# Altium PCB PE300_Rev1_1.PcbDoc (part 1 of 2)
Units mil, origin at the board's own origin, x right, y up, seen from the top; angles counter-clockwise.
Board outline 6601 x 4376.82 mil, 4 copper layers (TOP, GND02, VCC03, BOTTOM), stack 28.8 mil thick; 243 components, 349 nets, 1419 pads, 935 vias.
Unrouted connection lines stored in the file: 927.
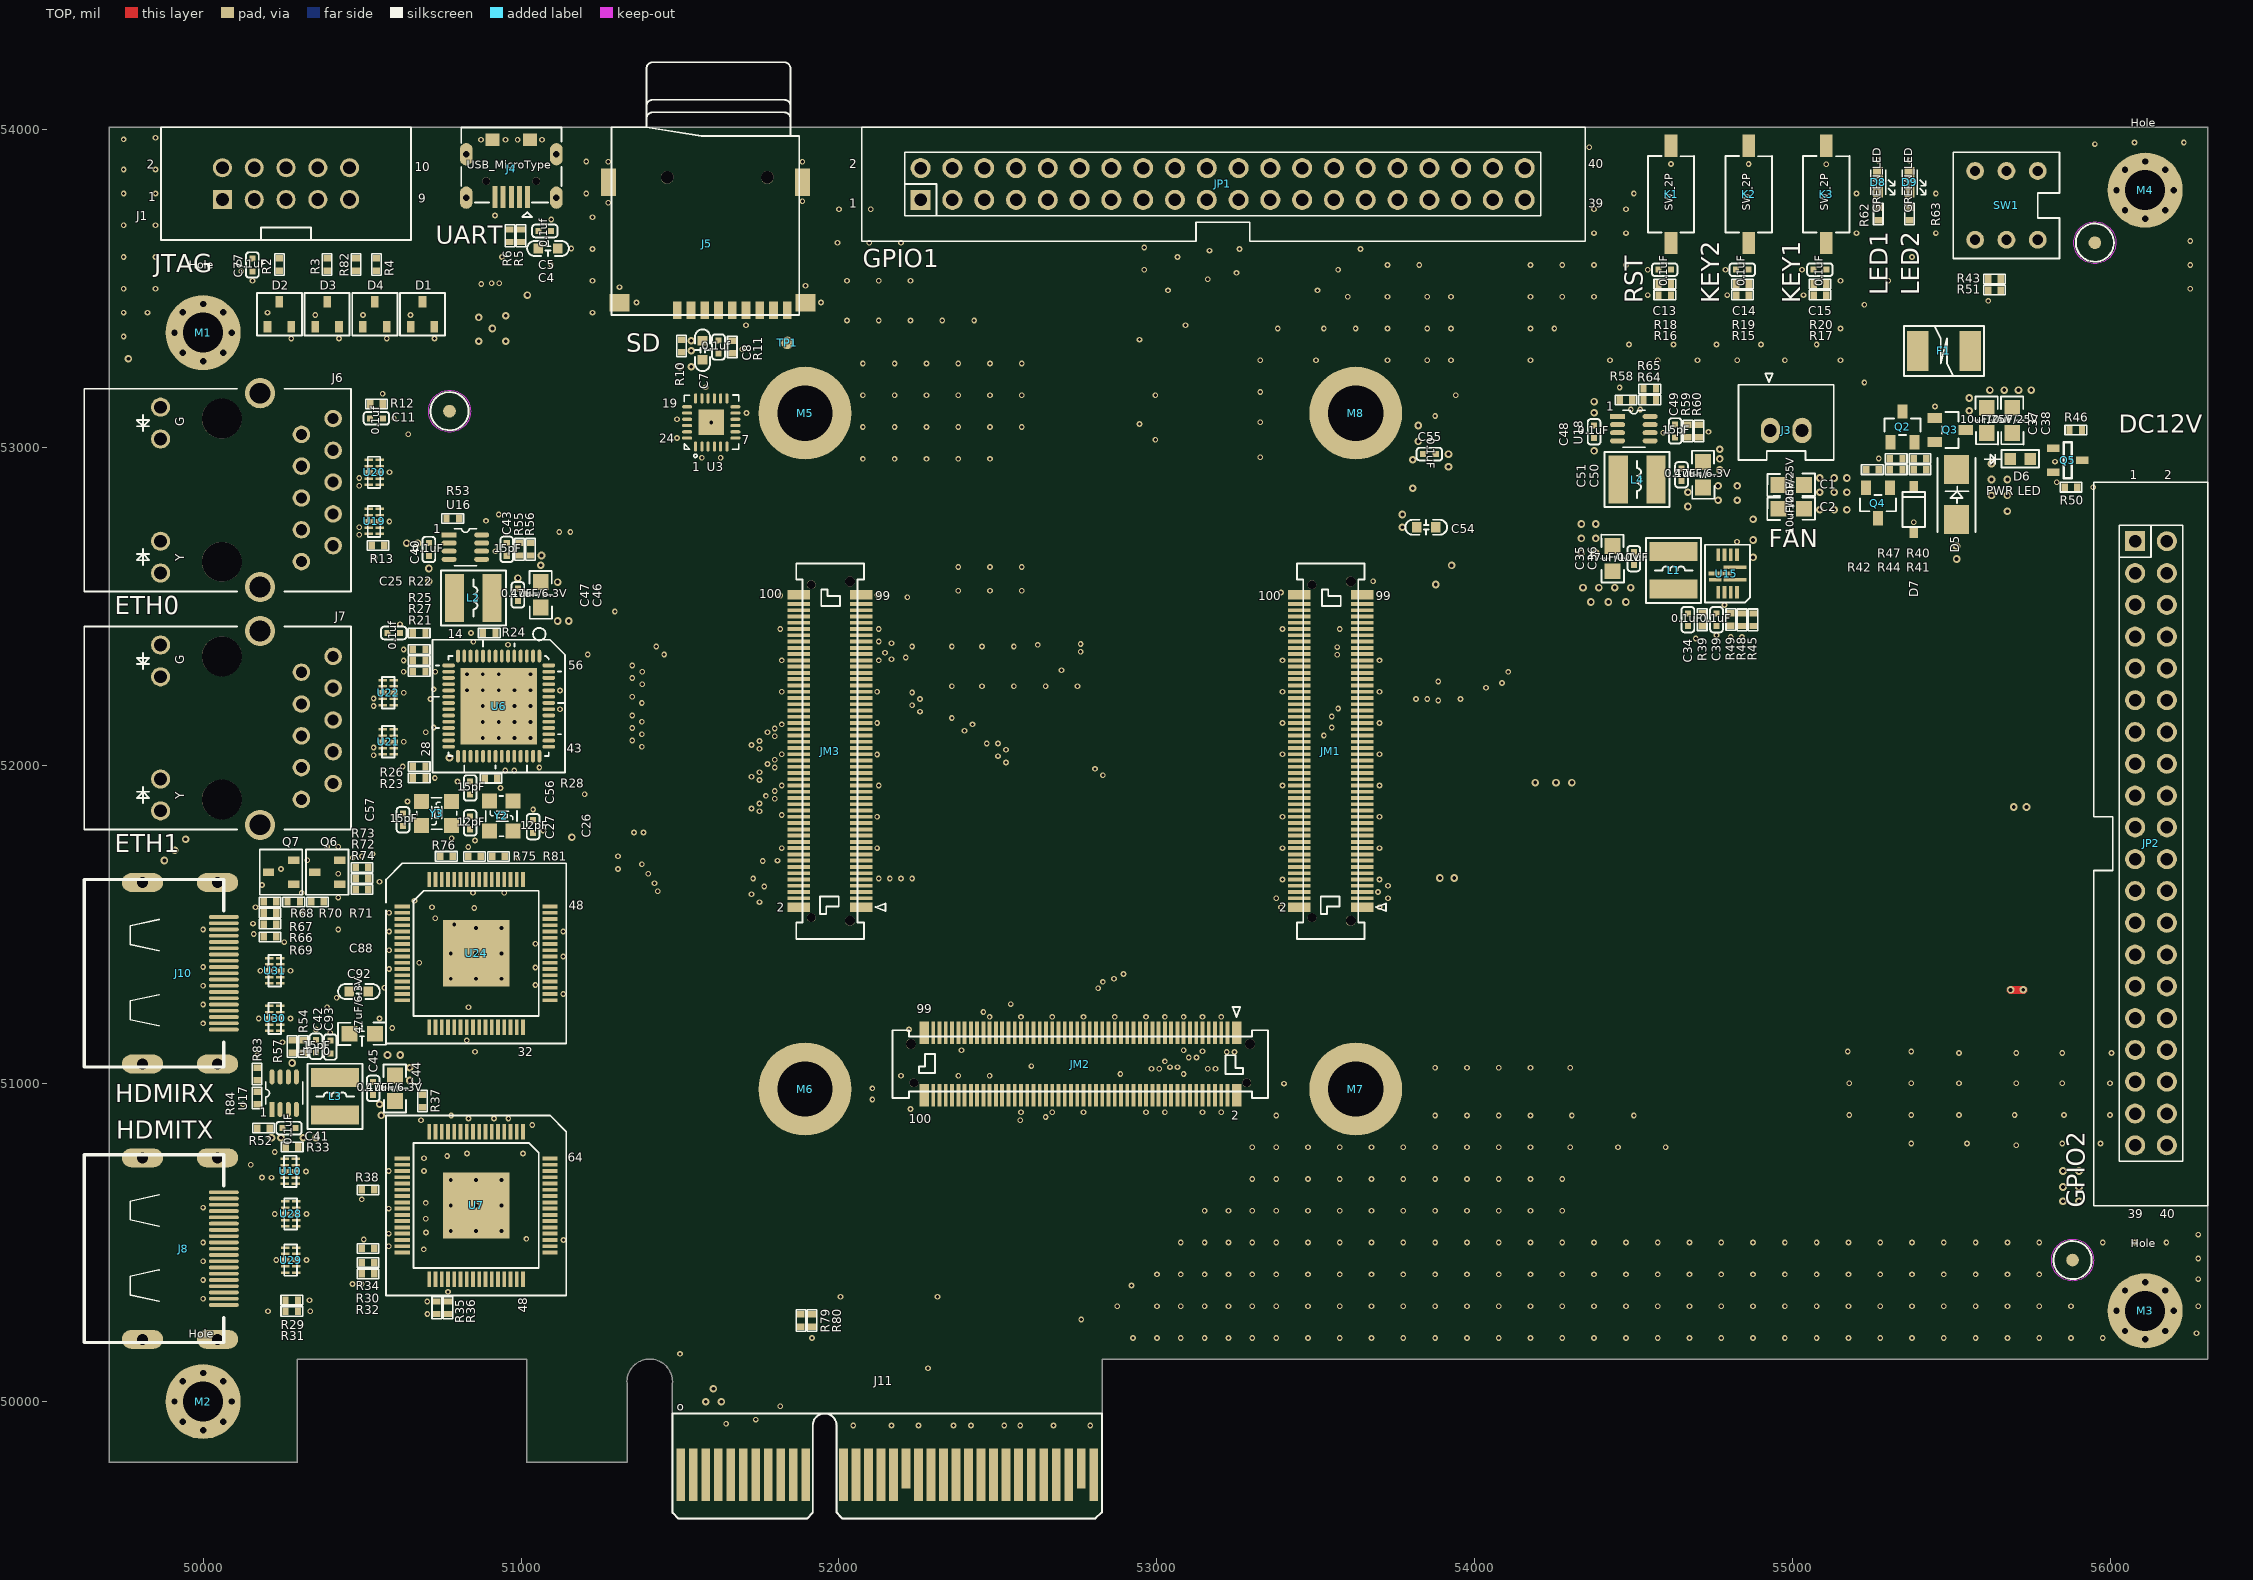
[diagram p0: TOP view]
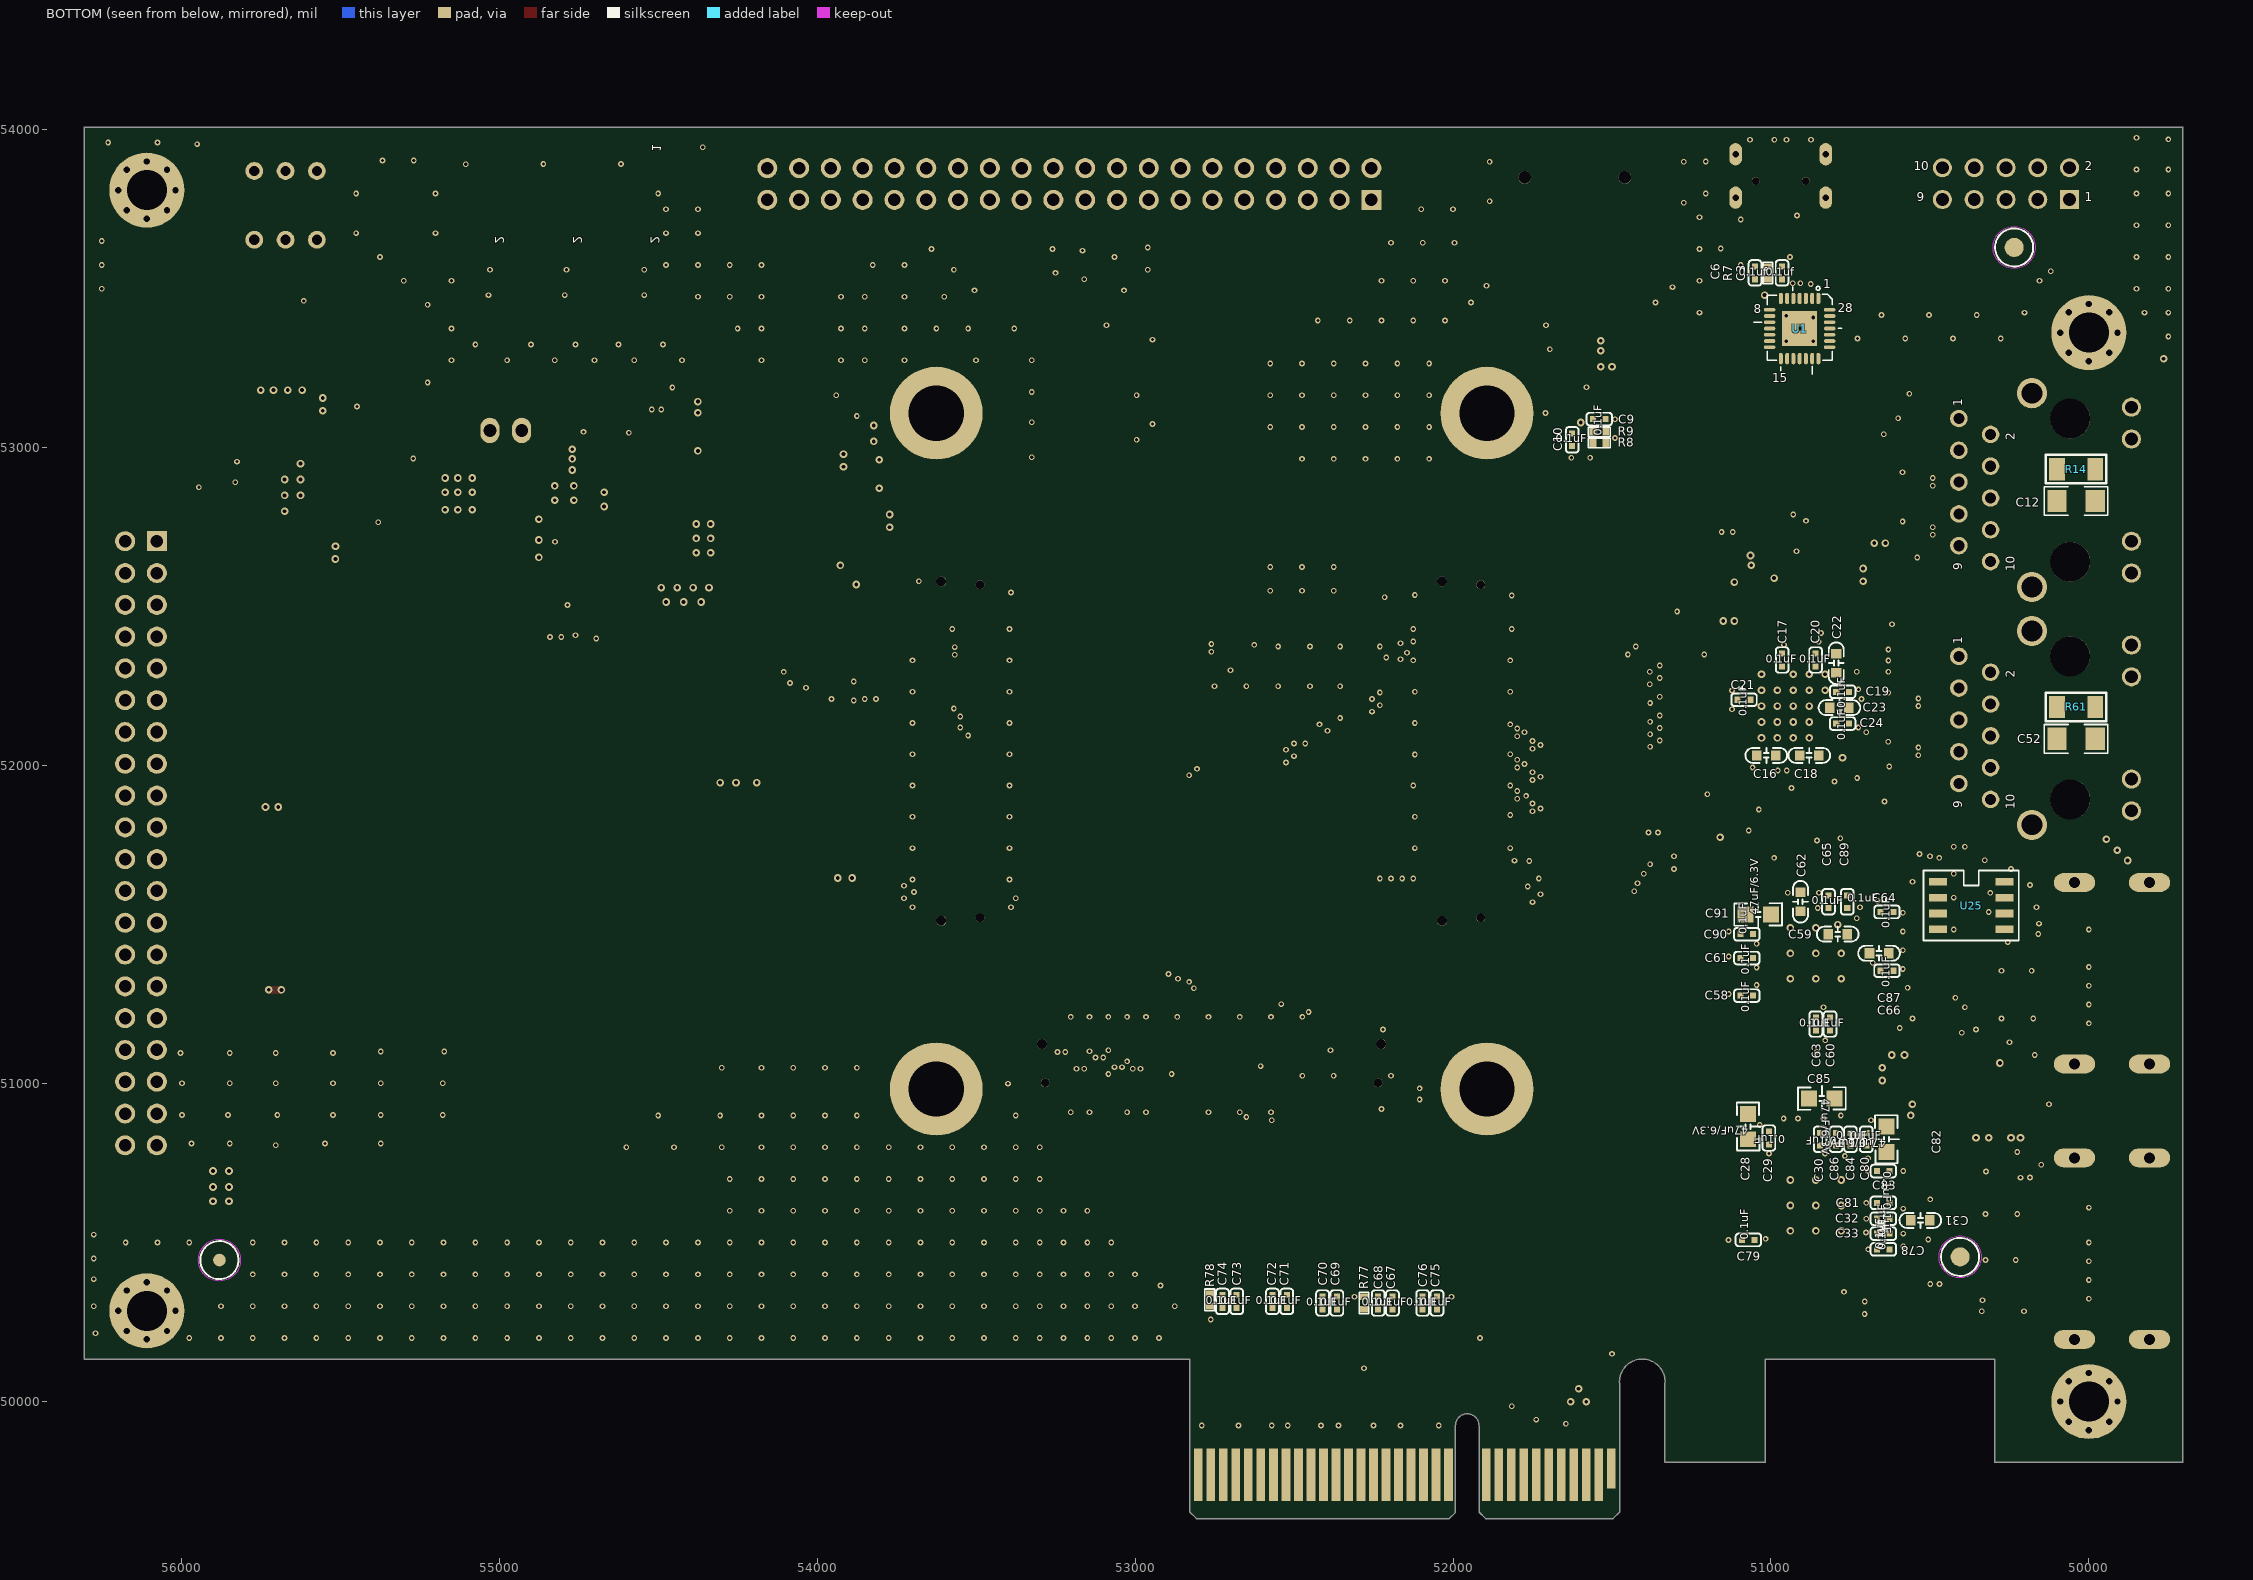
[diagram p1: BOTTOM view, seen from below]
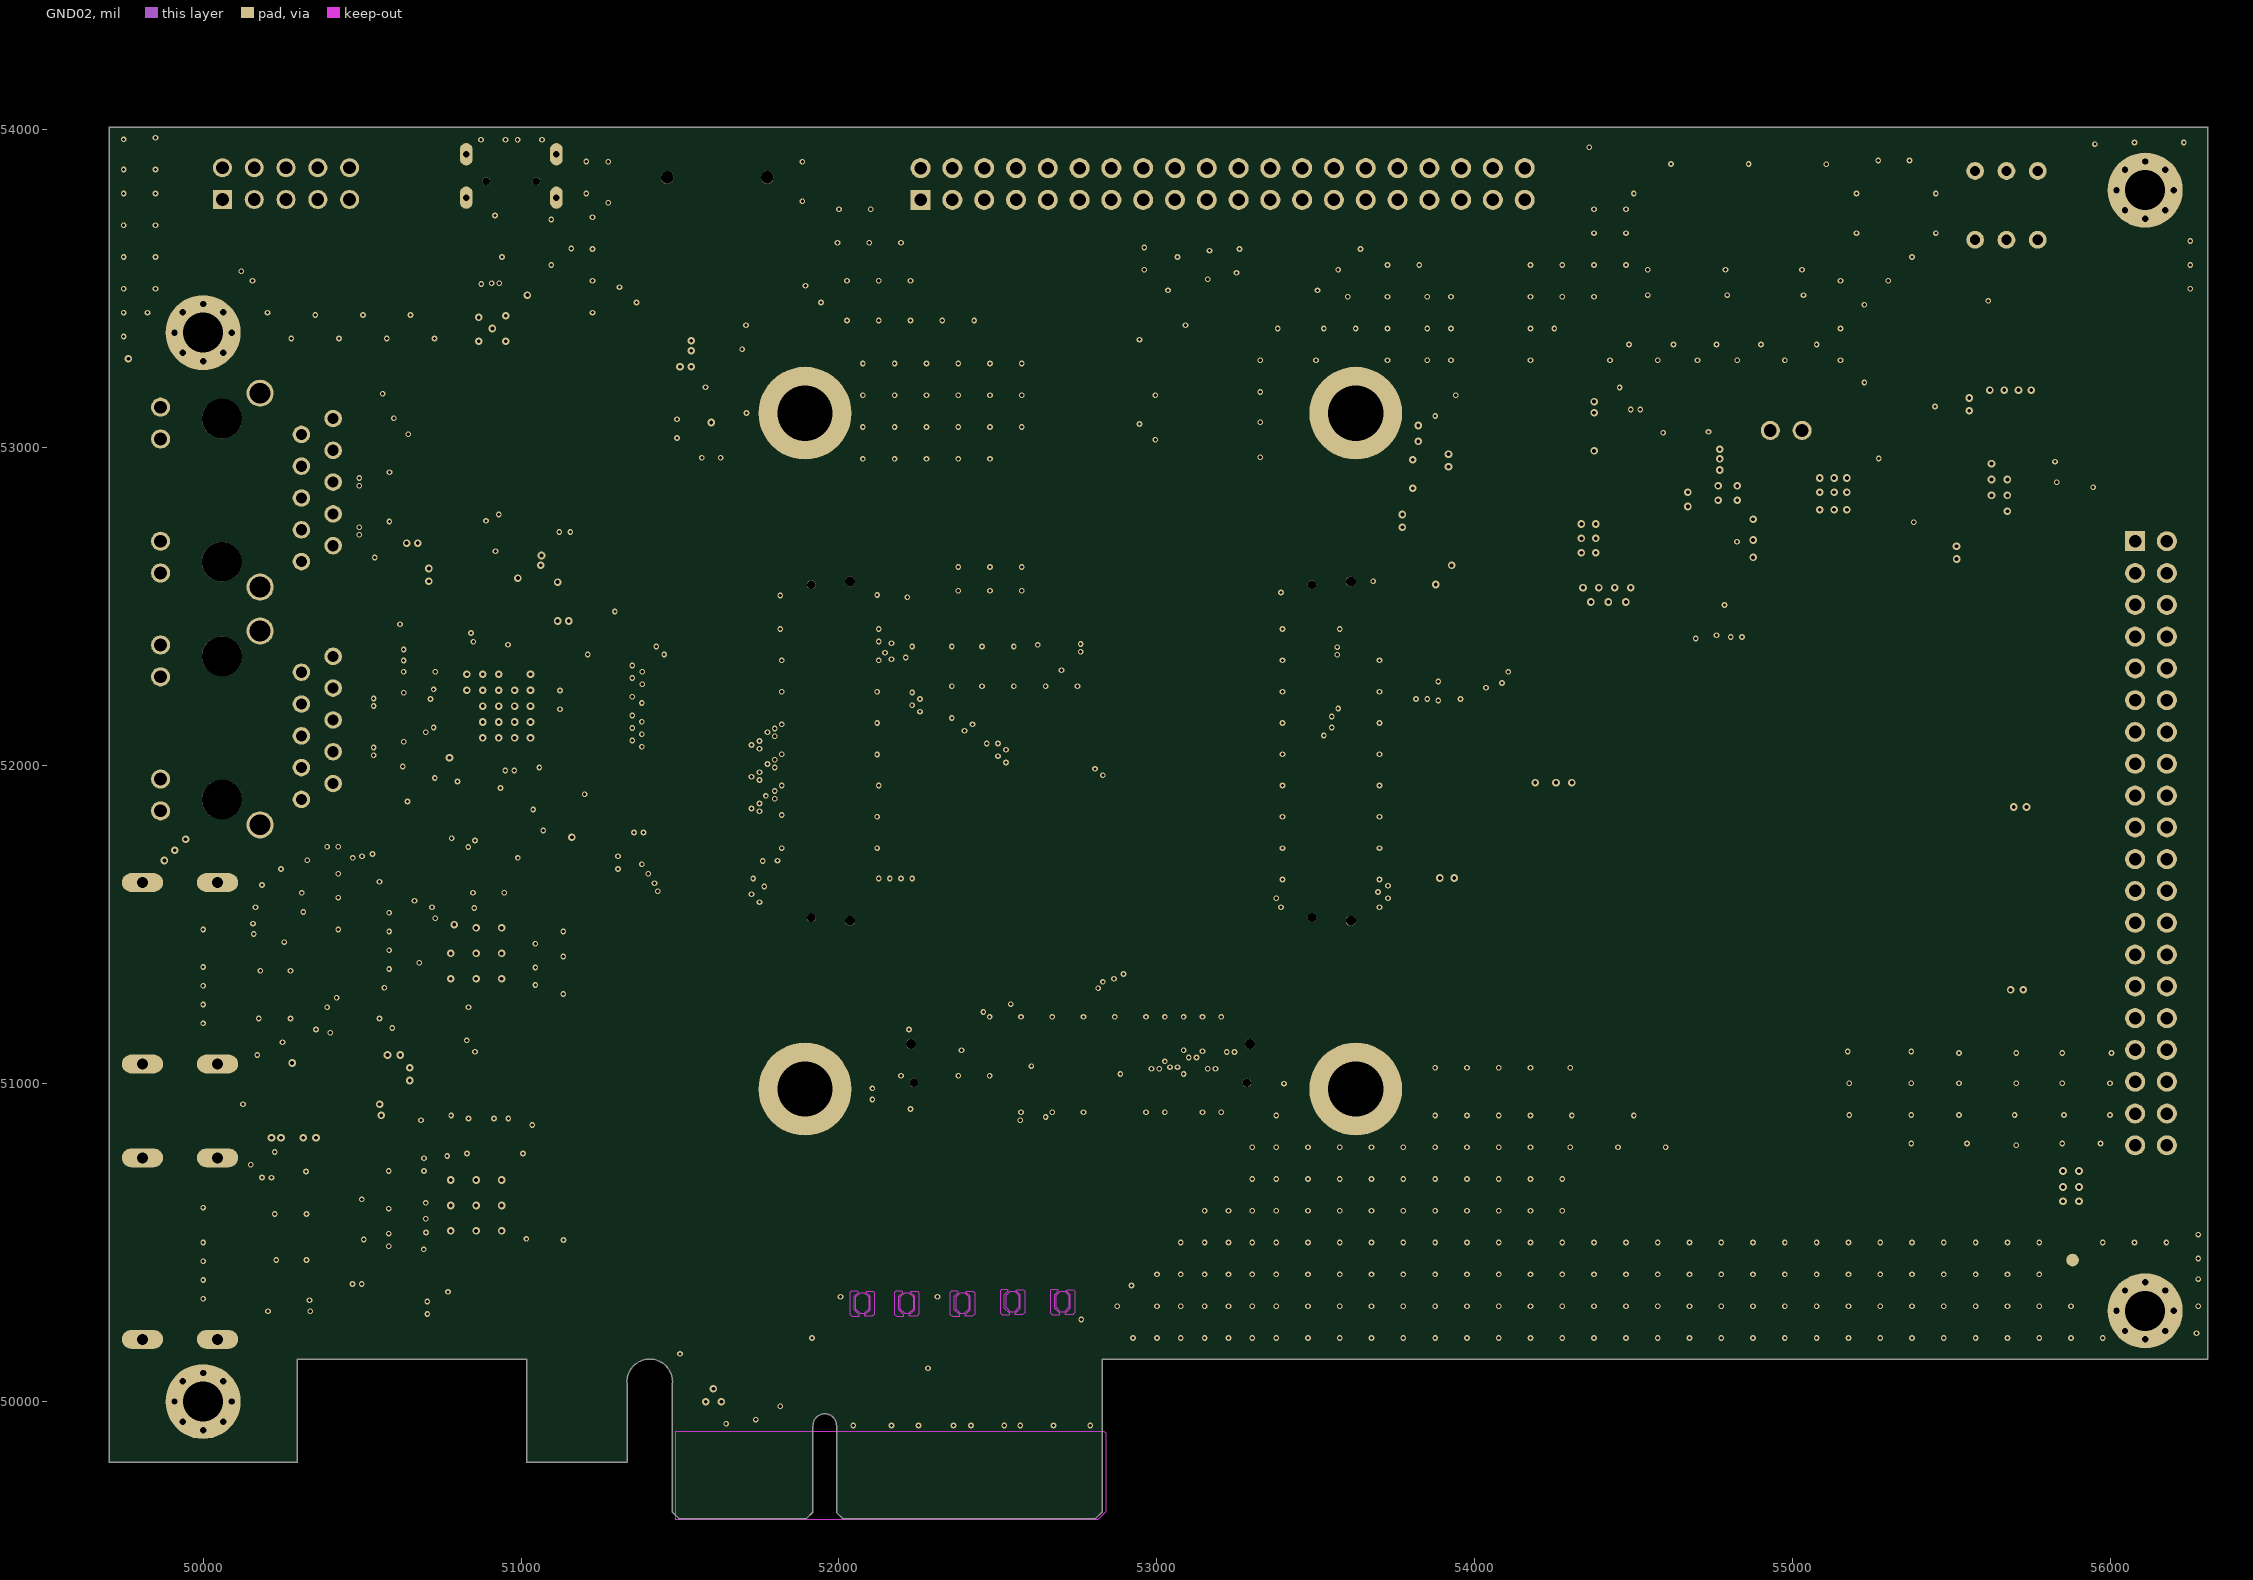
[diagram p2: GND02]

## Text inside footprints (layer, text, board x,y; h text height)
JP2: Top Overlay "1" at 56059,52901 h28; Top Overlay "2" at 56169,52901 h28; Top Overlay "39" at 56054,50576 h28; Top Overlay "40" at 56154,50576 h28; PIN_NUMBER "39" at 56056.65,50805.94 h25 r270; PIN_NUMBER "40" at 56156.65,50805.94 h25 r270; PIN_NUMBER "29" at 56056.65,51305.94 h25 r270; PIN_NUMBER "12" at 56156.65,52205.94 h25 r270; PIN_NUMBER "30" at 56156.65,51305.94 h25 r270; PIN_NUMBER "11" at 56056.65,52205.94 h25 r270; PIN_NUMBER "38" at 56156.65,50905.94 h25 r270; PIN_NUMBER "1" at 56066.65,52705.94 h25 r270; PIN_NUMBER "20" at 56156.65,51805.94 h25 r270; PIN_NUMBER "22" at 56156.65,51705.94 h25 r270; PIN_NUMBER "31" at 56056.65,51205.94 h25 r270; PIN_NUMBER "19" at 56056.65,51805.94 h25 r270; PIN_NUMBER "6" at 56166.65,52505.94 h25 r270; PIN_NUMBER "13" at 56056.65,52105.94 h25 r270; PIN_NUMBER "14" at 56156.65,52105.94 h25 r270; PIN_NUMBER "35" at 56056.65,51005.94 h25 r270; PIN_NUMBER "15" at 56056.65,52005.94 h25 r270; PIN_NUMBER "8" at 56166.65,52405.94 h25 r270; PIN_NUMBER "25" at 56056.65,51505.94 h25 r270; PIN_NUMBER "26" at 56156.65,51505.94 h25 r270; PIN_NUMBER "37" at 56056.65,50905.94 h25 r270; PIN_NUMBER "4" at 56166.65,52605.94 h25 r270; PIN_NUMBER "34" at 56156.65,51105.94 h25 r270; PIN_NUMBER "21" at 56056.65,51705.94 h25 r270; PIN_NUMBER "24" at 56156.65,51605.94 h25 r270; PIN_NUMBER "7" at 56066.65,52405.94 h25 r270; PIN_NUMBER "9" at 56066.65,52305.94 h25 r270; PIN_NUMBER "17" at 56056.65,51905.94 h25 r270; PIN_NUMBER "16" at 56156.65,52005.94 h25 r270; PIN_NUMBER "23" at 56056.65,51605.94 h25 r270; PIN_NUMBER "27" at 56056.65,51405.94 h25 r270; PIN_NUMBER "32" at 56156.65,51205.94 h25 r270; PIN_NUMBER "2" at 56166.65,52705.94 h25 r270; PIN_NUMBER "18" at 56156.65,51905.94 h25 r270; PIN_NUMBER "10" at 56156.65,52305.94 h25 r270; PIN_NUMBER "33" at 56056.65,51105.94 h25 r270; PIN_NUMBER "36" at 56156.65,51005.94 h25 r270; PIN_NUMBER "3" at 56066.65,52605.94 h25 r270; PIN_NUMBER "28" at 56156.65,51405.94 h25 r270; PIN_NUMBER "5" at 56066.65,52505.94 h25 r270
K1: Top Overlay "SW_2P" at 54622.84,53744.91 h25 r90; PIN_NUMBER "2" at 54597,53644.35 h25 r270; PIN_NUMBER "1" at 54597,53949.47 h25 r270; Bottom Overlay "1" at 54518.67,53930.91 h28 r90; Bottom Overlay "2" at 54523.67,53640.91 h28 r90
K2: Top Overlay "SW_2P" at 54866.93,53744.91 h25 r90; PIN_NUMBER "2" at 54841.09,53644.35 h25 r270; PIN_NUMBER "1" at 54841.09,53949.47 h25 r270; Bottom Overlay "2" at 54767.76,53640.91 h28 r90
K3: Top Overlay "SW_2P" at 55111.01,53744.91 h25 r90; PIN_NUMBER "2" at 55085.18,53644.35 h25 r270; PIN_NUMBER "1" at 55085.18,53949.47 h25 r270; Bottom Overlay "2" at 55011.85,53640.91 h28 r90
L1: ASSEMBLY_TOP "1.5uH" at 54633.85,52600.54 h25 r90; ASSEMBLY_TOP "*" at 54633.85,52600.54 h25 r90; ASSEMBLY_TOP "*" at 54633.85,52600.54 h25 r90; PIN_NUMBER "1" at 54623.42,52555.19 h3.94 r90; PIN_NUMBER "2" at 54623.42,52673.3 h3.94 r90
L2: ASSEMBLY_TOP "1uH" at 50836.3,52518.59 h25; ASSEMBLY_TOP "*" at 50836.3,52518.59 h25; ASSEMBLY_TOP "*" at 50836.3,52518.59 h25; PIN_NUMBER "1" at 50789.37,52527.45 h3.94; PIN_NUMBER "2" at 50907.48,52527.45 h3.94
L3: ASSEMBLY_TOP "1uH" at 50423.85,50946.3 h25 r90; ASSEMBLY_TOP "*" at 50423.85,50946.3 h25 r90; ASSEMBLY_TOP "*" at 50423.85,50946.3 h25 r90; PIN_NUMBER "2" at 50413.42,51019.06 h3.94 r90; PIN_NUMBER "1" at 50413.42,50900.95 h3.94 r90
L4: ASSEMBLY_TOP "1uH" at 54496.3,52891.15 h25; ASSEMBLY_TOP "*" at 54496.3,52891.15 h25; ASSEMBLY_TOP "*" at 54496.3,52891.15 h25; PIN_NUMBER "1" at 54449.37,52900 h3.94; PIN_NUMBER "2" at 54567.48,52900 h3.94
M1: Top Overlay "Hole" at 49955,53562.21 h25; PIN_NUMBER "1" at 49990,53362.21 h25
M2: Top Overlay "Hole" at 49955,50200 h25; PIN_NUMBER "1" at 49990,50000 h25
M3: Top Overlay "Hole" at 56063.27,50485.43 h25; PIN_NUMBER "1" at 56098.27,50285.43 h25
M4: Top Overlay "Hole" at 56063.27,54010.24 h25; PIN_NUMBER "1" at 56098.27,53810.24 h25
M5: PIN_NUMBER "1" at 51883.11,53108.78 h25
M6: PIN_NUMBER "1" at 51883.11,50982.8 h25
M7: PIN_NUMBER "1" at 53615.39,50982.8 h25
M8: PIN_NUMBER "1" at 53615.39,53108.78 h25
Q2: PIN_NUMBER "D" at 55335.67,53114.15 h23.62; PIN_NUMBER "S" at 55373.07,53017.69 h23.62; PIN_NUMBER "G" at 55298.27,53017.69 h23.62
Q3: PIN_NUMBER "S" at 55437.44,53018.52 h23.62 r270; PIN_NUMBER "G" at 55437.44,53093.32 h23.62 r270; PIN_NUMBER "D" at 55533.9,53055.93 h23.62 r270
Q4: PIN_NUMBER "2" at 55220.98,52874.16 h23.62 r180; PIN_NUMBER "1" at 55295.78,52874.16 h23.62 r180; PIN_NUMBER "3" at 55258.38,52777.7 h23.62 r180
Q5: PIN_NUMBER "2" at 55809.25,52923.52 h25; PIN_NUMBER "1" at 55809.25,52998.33 h25; PIN_NUMBER "3" at 55899.81,52960.93 h25
Q6: PIN_NUMBER "3" at 50356.56,51665 h31.1 r90; PIN_NUMBER "1" at 50435.31,51625.63 h31.1 r90; PIN_NUMBER "2" at 50435.31,51704.37 h31.1 r90; PLACE_BOUND_TOP "H=1.1MM" at 50396.4,51569.5 h31 r90
Q7: PIN_NUMBER "3" at 50211.56,51665 h31.1 r90; PIN_NUMBER "1" at 50290.31,51625.63 h31.1 r90; PIN_NUMBER "2" at 50290.31,51704.37 h31.1 r90; PLACE_BOUND_TOP "H=1.1MM" at 50251.4,51569.5 h31 r90
R2: PIN_NUMBER "2" at 50230,53596.11 h25 r90; PIN_NUMBER "1" at 50230,53556.73 h25 r90
R3: PIN_NUMBER "2" at 50380,53596.11 h25 r90; PIN_NUMBER "1" at 50380,53556.73 h25 r90
R4: PIN_NUMBER "2" at 50535,53596.11 h25 r90; PIN_NUMBER "1" at 50535,53556.73 h25 r90
R5: PIN_NUMBER "2" at 50989.77,53647.13 h25 r270; PIN_NUMBER "1" at 50989.77,53686.51 h25 r270
R6: PIN_NUMBER "2" at 50954.77,53647.13 h25 r270; PIN_NUMBER "1" at 50954.77,53686.51 h25 r270
R7: PIN_NUMBER "2" at 51000,53530 h25 r90; PIN_NUMBER "1" at 51000,53569.38 h25 r90
R8: PIN_NUMBER "1" at 51510,53015 h25 r180; PIN_NUMBER "2" at 51549.38,53015 h25 r180
R9: PIN_NUMBER "2" at 51510,53050 h25; PIN_NUMBER "1" at 51549.38,53050 h25
R10: PIN_NUMBER "2" at 51495,53300.31 h25 r270; PIN_NUMBER "1" at 51495,53339.69 h25 r270
R11: PIN_NUMBER "2" at 51654.25,53297.11 h25 r270; PIN_NUMBER "1" at 51654.25,53336.49 h25 r270
R12: PIN_NUMBER "1" at 50515.31,53137.65 h25; PIN_NUMBER "2" at 50554.69,53137.65 h25
R13: PIN_NUMBER "1" at 50520.31,52692.65 h25; PIN_NUMBER "2" at 50559.69,52692.65 h25
R14: PIN_NUMBER "2" at 50090,52932.65 h25 r180; PIN_NUMBER "1" at 49970,52932.65 h25 r180
R15: PIN_NUMBER "2" at 54851.09,53480 h25; PIN_NUMBER "1" at 54811.71,53480 h25
R16: PIN_NUMBER "2" at 54607,53480 h25; PIN_NUMBER "1" at 54567.63,53480 h25
R17: PIN_NUMBER "2" at 55095.18,53480 h25; PIN_NUMBER "1" at 55055.8,53480 h25
R18: PIN_NUMBER "2" at 54607,53515 h25; PIN_NUMBER "1" at 54567.63,53515 h25
R19: PIN_NUMBER "1" at 54811.71,53515 h25; PIN_NUMBER "2" at 54851.09,53515 h25
R20: PIN_NUMBER "2" at 55095.18,53515 h25; PIN_NUMBER "1" at 55055.8,53515 h25
R21: PIN_NUMBER "1" at 50649.89,52295.66 h25; PIN_NUMBER "2" at 50689.26,52295.66 h25
R22: PIN_NUMBER "1" at 50649.89,52417.39 h25; PIN_NUMBER "2" at 50689.26,52417.39 h25
R23: PIN_NUMBER "1" at 50649.89,51961.13 h25; PIN_NUMBER "2" at 50689.26,51961.13 h25
R24: PIN_NUMBER "1" at 50870.35,52417.39 h25; PIN_NUMBER "2" at 50909.73,52417.39 h25
R25: PIN_NUMBER "2" at 50689.26,52365.66 h25; PIN_NUMBER "1" at 50649.89,52365.66 h25
R26: PIN_NUMBER "2" at 50689.26,51997.39 h25; PIN_NUMBER "1" at 50649.89,51997.39 h25
R27: PIN_NUMBER "2" at 50689.26,52330.66 h25; PIN_NUMBER "1" at 50649.89,52330.66 h25
R28: PIN_NUMBER "2" at 50875.51,51960.43 h25 r180; PIN_NUMBER "1" at 50914.89,51960.43 h25 r180
R29: PIN_NUMBER "1" at 50288.59,50318.89 h25 r180; PIN_NUMBER "2" at 50249.21,50318.89 h25 r180
R30: PIN_NUMBER "1" at 50489.05,50436.69 h25; PIN_NUMBER "2" at 50528.43,50436.69 h25
R31: PIN_NUMBER "1" at 50288.59,50283.89 h25 r180; PIN_NUMBER "2" at 50249.21,50283.89 h25 r180
R32: PIN_NUMBER "1" at 50489.05,50401.69 h25; PIN_NUMBER "2" at 50528.43,50401.69 h25
R33: PIN_NUMBER "2" at 50250.31,50800.47 h25 r180; PIN_NUMBER "1" at 50289.69,50800.47 h25 r180
R34: PIN_NUMBER "1" at 50489.05,50481.69 h25; PIN_NUMBER "2" at 50528.43,50481.69 h25
R35: PIN_NUMBER "1" at 50725,50275.31 h25 r90; PIN_NUMBER "2" at 50725,50314.69 h25 r90
R36: PIN_NUMBER "1" at 50760,50275.31 h25 r90; PIN_NUMBER "2" at 50760,50314.69 h25 r90
R37: PIN_NUMBER "1" at 50680,50925.31 h25 r90; PIN_NUMBER "2" at 50680,50964.69 h25 r90
R38: PIN_NUMBER "2" at 50528.43,50665.9 h25; PIN_NUMBER "1" at 50489.05,50665.9 h25
R39: PIN_NUMBER "2" at 54705,52439.56 h25 r270; PIN_NUMBER "1" at 54705,52478.94 h25 r270
R40: PIN_NUMBER "1" at 55409.81,52965.93 h25 r180; PIN_NUMBER "2" at 55370.43,52965.93 h25 r180
R41: PIN_NUMBER "1" at 55409.81,52930.93 h25 r180; PIN_NUMBER "2" at 55370.43,52930.93 h25 r180
R42: PIN_NUMBER "1" at 55220.43,52930.93 h25; PIN_NUMBER "2" at 55259.81,52930.93 h25
R43: PIN_NUMBER "1" at 55644.22,53530.88 h25 r180; PIN_NUMBER "2" at 55604.84,53530.88 h25 r180
R44: PIN_NUMBER "2" at 55295.43,52930.93 h25 r180; PIN_NUMBER "1" at 55334.81,52930.93 h25 r180
R45: PIN_NUMBER "2" at 54865,52478.63 h25 r90; PIN_NUMBER "1" at 54865,52439.25 h25 r90
R46: PIN_NUMBER "2" at 55899.81,53055.93 h25; PIN_NUMBER "1" at 55860.43,53055.93 h25
R47: PIN_NUMBER "2" at 55295.43,52965.93 h25 r180; PIN_NUMBER "1" at 55334.81,52965.93 h25 r180
R48: PIN_NUMBER "2" at 54830,52439.25 h25 r270; PIN_NUMBER "1" at 54830,52478.63 h25 r270
R49: PIN_NUMBER "2" at 54795,52439.87 h25 r270; PIN_NUMBER "1" at 54795,52479.25 h25 r270
R50: PIN_NUMBER "2" at 55845.43,52875.93 h25 r180; PIN_NUMBER "1" at 55884.81,52875.93 h25 r180
R51: PIN_NUMBER "2" at 55604.84,53495.88 h25 r180; PIN_NUMBER "1" at 55644.22,53495.88 h25 r180
R52: PIN_NUMBER "2" at 50199.69,50860 h25; PIN_NUMBER "1" at 50160.31,50860 h25
R53: PIN_NUMBER "2" at 50794.69,52777.45 h25; PIN_NUMBER "1" at 50755.31,52777.45 h25
R54: PIN_NUMBER "2" at 50305,51136.58 h25 r90; PIN_NUMBER "1" at 50305,51097.2 h25 r90
R55: PIN_NUMBER "1" at 50985,52700.25 h25 r270; PIN_NUMBER "2" at 50985,52660.87 h25 r270
R56: PIN_NUMBER "1" at 51020,52660.87 h25 r90; PIN_NUMBER "2" at 51020,52700.25 h25 r90
R57: PIN_NUMBER "1" at 50270,51136.58 h25 r270; PIN_NUMBER "2" at 50270,51097.2 h25 r270
R58: PIN_NUMBER "2" at 54484.69,53150 h25; PIN_NUMBER "1" at 54445.31,53150 h25
R59: PIN_NUMBER "1" at 54660,53072.8 h25 r270; PIN_NUMBER "2" at 54660,53033.42 h25 r270
R60: PIN_NUMBER "2" at 54695,53072.8 h25 r90; PIN_NUMBER "1" at 54695,53033.42 h25 r90
R61: PIN_NUMBER "2" at 50090,52184.62 h25 r180; PIN_NUMBER "1" at 49970,52184.62 h25 r180
R62: PIN_NUMBER "2" at 55258.71,53754.69 h25 r90; PIN_NUMBER "1" at 55258.71,53715.31 h25 r90
R63: PIN_NUMBER "2" at 55357.13,53754.69 h25 r90; PIN_NUMBER "1" at 55357.13,53715.31 h25 r90
R64: PIN_NUMBER "2" at 54559.69,53150 h25; PIN_NUMBER "1" at 54520.31,53150 h25
R65: PIN_NUMBER "2" at 54559.69,53185 h25; PIN_NUMBER "1" at 54520.31,53185 h25
R66: PIN_NUMBER "2" at 50180.31,51501.61 h25 r180; PIN_NUMBER "1" at 50219.69,51501.61 h25 r180
R67: PIN_NUMBER "2" at 50180.31,51536.61 h25 r180; PIN_NUMBER "1" at 50219.69,51536.61 h25 r180
R68: PIN_NUMBER "2" at 50180.31,51571.61 h25 r180; PIN_NUMBER "1" at 50219.69,51571.61 h25 r180
R69: PIN_NUMBER "1" at 50219.69,51461.61 h25 r180; PIN_NUMBER "2" at 50180.31,51461.61 h25 r180
R70: PIN_NUMBER "1" at 50255.31,51571.61 h25; PIN_NUMBER "2" at 50294.69,51571.61 h25
R71: PIN_NUMBER "1" at 50330.31,51571.61 h25; PIN_NUMBER "2" at 50369.69,51571.61 h25
R72: PIN_NUMBER "2" at 50470.31,51645 h25 r180; PIN_NUMBER "1" at 50509.69,51645 h25 r180
R73: PIN_NUMBER "1" at 50509.69,51680 h25 r180; PIN_NUMBER "2" at 50470.31,51680 h25 r180
R74: PIN_NUMBER "1" at 50470.31,51610 h25; PIN_NUMBER "2" at 50509.69,51610 h25
R75: PIN_NUMBER "1" at 50863.43,51714.73 h25 r180; PIN_NUMBER "2" at 50824.05,51714.73 h25 r180
R76: PIN_NUMBER "1" at 50774.69,51715 h25 r180; PIN_NUMBER "2" at 50735.31,51715 h25 r180
R77: PIN_NUMBER "1" at 52270,50329.69 h25 r90; PIN_NUMBER "2" at 52270,50290.31 h25 r90
R78: PIN_NUMBER "2" at 52755.26,50300.31 h25 r90; PIN_NUMBER "1" at 52755.26,50339.69 h25 r90
R79: PIN_NUMBER "2" at 51870,50235.31 h25 r270; PIN_NUMBER "1" at 51870,50274.69 h25 r270
R80: PIN_NUMBER "1" at 51905,50235.31 h25 r90; PIN_NUMBER "2" at 51905,50274.69 h25 r90
R81: PIN_NUMBER "1" at 50899.05,51714.73 h25; PIN_NUMBER "2" at 50938.43,51714.73 h25
R82: PIN_NUMBER "2" at 50470.73,53596.11 h25 r90; PIN_NUMBER "1" at 50470.73,53556.73 h25 r90
R83: PIN_NUMBER "2" at 50160,51010.31 h25 r270; PIN_NUMBER "1" at 50160,51049.69 h25 r270
R84: PIN_NUMBER "2" at 50160,50974.69 h25 r90; PIN_NUMBER "1" at 50160,50935.31 h25 r90
SW1: PIN_NUMBER "4" at 55760.31,53653.98 h25 r180; PIN_NUMBER "1" at 55760.31,53870.51 h25 r180; PIN_NUMBER "2" at 55661.88,53870.51 h25 r180; PIN_NUMBER "5" at 55661.88,53653.98 h25 r180; PIN_NUMBER "6" at 55563.46,53653.98 h25 r180; PIN_NUMBER "3" at 55563.46,53870.51 h25 r180
TP1: PIN_NUMBER "1" at 51827.47,53330 h25 r180
U1: PIN_NUMBER "4" at 50899.74,53469.49 h25 r90; PIN_NUMBER "5" at 50919.43,53469.49 h25 r90; PIN_NUMBER "9" at 50994.24,53414.38 h25 r90; PIN_NUMBER "29" at 50889.76,53375 h25 r90; PIN_NUMBER "3" at 50880.06,53469.49 h25 r90; PIN_NUMBER "6" at 50939.12,53469.49 h25 r90; PIN_NUMBER "8" at 50994.24,53434.07 h25 r90; PIN_NUMBER "7" at 50958.8,53469.49 h25 r90; PIN_NUMBER "26" at 50795.28,53394.69 h25 r90; PIN_NUMBER "25" at 50795.28,53375 h25 r90; PIN_NUMBER "11" at 50984.24,53375.01 h25 r90; PIN_NUMBER "12" at 50984.24,53355.33 h25 r90; PIN_NUMBER "24" at 50795.28,53355.32 h25 r90; PIN_NUMBER "2" at 50860.37,53469.49 h25 r90; PIN_NUMBER "20" at 50850.37,53280.51 h25 r90; PIN_NUMBER "19" at 50870.06,53280.51 h25 r90; PIN_NUMBER "18" at 50889.75,53280.51 h25 r90; PIN_NUMBER "17" at 50909.43,53280.51 h25 r90; PIN_NUMBER "16" at 50929.12,53280.51 h25 r90; PIN_NUMBER "15" at 50948.8,53280.51 h25 r90; PIN_NUMBER "14" at 50984.24,53315.96 h25 r90; PIN_NUMBER "13" at 50984.24,53335.64 h25 r90; PIN_NUMBER "22" at 50795.28,53315.95 h25 r90; PIN_NUMBER "21" at 50830.69,53280.51 h25 r90; PIN_NUMBER "10" at 50984.24,53394.7 h25 r90; PIN_NUMBER "28" at 50795.28,53434.06 h25 r90; PIN_NUMBER "27" at 50795.28,53414.37 h25 r90; PIN_NUMBER "1" at 50840.69,53469.49 h25 r90; PIN_NUMBER "23" at 50795.28,53335.63 h25 r90; Bottom Overlay "28" at 50789.69,53426.49 h28; Bottom Overlay "15" at 50996,53206 h28; Bottom Overlay "8" at 51054.76,53423 h28; Bottom Overlay "1" at 50836,53501 h28
U3: ASSEMBLY_TOP "1" at 51563.02,53046.93 h30 r180; ASSEMBLY_TOP "7" at 51680.89,53016.58 h25 r90; ASSEMBLY_TOP "13" at 51653.32,53118.94 h25 r90; Top Overlay "1" at 51539,52926 h28; Top Overlay "7" at 51694,53011 h28; Top Overlay "24" at 51434,53016 h28; Top Overlay "19" at 51444,53126 h28; PIN_NUMBER "24" at 51502.41,53030.35 h25 r90; PIN_NUMBER "1" at 51538.98,53003.79 h25 r90; PIN_NUMBER "22" at 51502.41,53069.72 h25 r90; PIN_NUMBER "5" at 51617.72,53003.79 h25 r90; PIN_NUMBER "9" at 51664,53069.72 h25 r90; PIN_NUMBER "21" at 51502.41,53089.4 h25 r90; PIN_NUMBER "17" at 51548.67,53155.35 h25 r90; PIN_NUMBER "23" at 51502.41,53050.04 h25 r90; PIN_NUMBER "6" at 51637.41,53003.79 h25 r90; PIN_NUMBER "25" at 51578.21,53079.57 h25 r90; PIN_NUMBER "11" at 51654,53109.09 h25 r90; PIN_NUMBER "2" at 51558.67,53003.79 h25 r90; PIN_NUMBER "18" at 51528.98,53155.35 h25 r90; PIN_NUMBER "4" at 51598.04,53003.79 h25 r90; PIN_NUMBER "16" at 51568.35,53155.35 h25 r90; PIN_NUMBER "7" at 51664,53030.35 h25 r90; PIN_NUMBER "3" at 51578.35,53003.79 h25 r90; PIN_NUMBER "19" at 51502.41,53128.77 h25 r90; PIN_NUMBER "20" at 51502.41,53109.09 h25 r90; PIN_NUMBER "10" at 51654,53089.4 h25 r90; PIN_NUMBER "8" at 51664,53050.03 h25 r90; PIN_NUMBER "15" at 51588.04,53155.35 h25 r90; PIN_NUMBER "14" at 51607.72,53155.35 h25 r90; PIN_NUMBER "12" at 51654,53128.77 h25 r90; PIN_NUMBER "13" at 51627.41,53155.35 h25 r90
U6: Top Overlay "14" at 50769,52401 h28; Top Overlay "28" at 50714.53,52027.44 h28 r90; Top Overlay "43" at 51144,52041 h28; Top Overlay "56" at 51149,52301 h28; PIN_NUMBER "30" at 50816.58,52029.92 h5.91 r270; PIN_NUMBER "15" at 50767.37,52315.35 h5.91 r270; PIN_NUMBER "39" at 50993.74,52029.92 h5.91 r270; PIN_NUMBER "40" at 51013.43,52029.92 h5.91 r270; PIN_NUMBER "52" at 51082.33,52236.61 h5.91 r270; PIN_NUMBER "49" at 51082.33,52177.56 h5.91 r270; PIN_NUMBER "10" at 50875.63,52344.88 h5.91 r270; PIN_NUMBER "11" at 50855.95,52344.88 h5.91 r270; PIN_NUMBER "57" at 50920.12,52187.4 h5.91 r270; PIN_NUMBER "33" at 50875.63,52029.92 h5.91 r270; PIN_NUMBER "34" at 50895.32,52029.92 h5.91 r270; PIN_NUMBER "27" at 50767.37,52079.13 h5.91 r270; PIN_NUMBER "6" at 50956.74,52344.88 h5.91 r270; PIN_NUMBER "42" at 51052.8,52029.92 h5.91 r270; PIN_NUMBER "28" at 50767.37,52059.44 h5.91 r270; PIN_NUMBER "18" at 50767.37,52256.29 h5.91 r270; PIN_NUMBER "8" at 50917.37,52344.88 h5.91 r270; PIN_NUMBER "23" at 50767.37,52157.87 h5.91 r270; PIN_NUMBER "50" at 51082.33,52197.24 h5.91 r270; PIN_NUMBER "21" at 50767.37,52197.24 h5.91 r270; PIN_NUMBER "47" at 51082.33,52138.18 h5.91 r270; PIN_NUMBER "17" at 50767.37,52275.98 h5.91 r270; PIN_NUMBER "24" at 50767.37,52138.18 h5.91 r270; PIN_NUMBER "53" at 51082.33,52256.29 h5.91 r270; PIN_NUMBER "14" at 50796.89,52344.88 h5.91 r270; PIN_NUMBER "16" at 50767.37,52295.67 h5.91 r270; PIN_NUMBER "46" at 51082.33,52118.5 h5.91 r270; PIN_NUMBER "51" at 51082.33,52216.93 h5.91 r270; PIN_NUMBER "56" at 51082.33,52315.35 h5.91 r270; PIN_NUMBER "44" at 51082.33,52079.13 h5.91 r270; PIN_NUMBER "43" at 51082.33,52059.44 h5.91 r270; PIN_NUMBER "55" at 51082.33,52295.67 h5.91 r270; PIN_NUMBER "22" at 50767.37,52177.56 h5.91 r270; PIN_NUMBER "13" at 50816.58,52344.88 h5.91 r270; PIN_NUMBER "25" at 50767.37,52118.5 h5.91 r270; PIN_NUMBER "20" at 50767.37,52216.93 h5.91 r270; PIN_NUMBER "26" at 50767.37,52098.82 h5.91 r270; PIN_NUMBER "19" at 50767.37,52236.61 h5.91 r270; PIN_NUMBER "38" at 50974.06,52029.92 h5.91 r270; PIN_NUMBER "35" at 50915,52029.92 h5.91 r270; PIN_NUMBER "3" at 51015.79,52344.88 h5.91 r270; PIN_NUMBER "45" at 51082.33,52098.82 h5.91 r270; PIN_NUMBER "54" at 51082.33,52275.98 h5.91 r270; PIN_NUMBER "48" at 51082.33,52157.87 h5.91 r270; PIN_NUMBER "7" at 50937.05,52344.88 h5.91 r270; PIN_NUMBER "29" at 50796.89,52029.92 h5.91 r270; PIN_NUMBER "4" at 50996.11,52344.88 h5.91 r270; PIN_NUMBER "5" at 50976.42,52344.88 h5.91 r270; PIN_NUMBER "1" at 51055.16,52344.88 h5.91 r270; PIN_NUMBER "2" at 51035.48,52344.88 h5.91 r270; PIN_NUMBER "36" at 50934.69,52029.92 h5.91 r270; PIN_NUMBER "41" at 51033.12,52029.92 h5.91 r270; PIN_NUMBER "37" at 50954.37,52029.92 h5.91 r270; PIN_NUMBER "12" at 50836.26,52344.88 h5.91 r270; PIN_NUMBER "32" at 50855.95,52029.92 h5.91 r270; PIN_NUMBER "31" at 50836.26,52029.92 h5.91 r270; PIN_NUMBER "9" at 50897.68,52344.88 h5.91 r270; PLACE_BOUND_TOP "H=0.8MM" at 50947.77,52309.4 h34 r270
U7: ASSEMBLY_TOP "ADV7513" at 50849.88,50630.39 h25 r270; ASSEMBLY_TOP "*" at 50849.88,50630.39 h25 r270; ASSEMBLY_TOP "*" at 50849.88,50630.39 h25 r270; Top Overlay "48" at 51019,50279 h28 r90; Top Overlay "64" at 51146.14,50754.49 h28; PIN_NUMBER "25" at 50623.31,50606.85 h3.94; PIN_NUMBER "19" at 50623.31,50724.96 h3.94; PIN_NUMBER "15" at 50727.64,50848.98 h3.94; PIN_NUMBER "11" at 50806.38,50848.98 h3.94; PIN_NUMBER "1" at 51004.8,50848.98 h3.94; PIN_NUMBER "51" at 51087.87,50508.43 h3.94; PIN_NUMBER "31" at 50623.31,50488.74 h3.94; PIN_NUMBER "12" at 50786.69,50848.98 h3.94; PIN_NUMBER "13" at 50767.01,50848.98 h3.94; PIN_NUMBER "3" at 50965.43,50848.98 h3.94; PIN_NUMBER "5" at 50926.06,50848.98 h3.94; PIN_NUMBER "4" at 50945.75,50848.98 h3.94; PIN_NUMBER "9" at 50847.32,50848.98 h3.94; PIN_NUMBER "10" at 50826.06,50848.98 h3.94; PIN_NUMBER "22" at 50623.31,50665.91 h3.94; PIN_NUMBER "14" at 50747.32,50848.98 h3.94; PIN_NUMBER "29" at 50623.31,50528.11 h3.94; PIN_NUMBER "65" at 50848.5,50616.69 h3.94 r270; PIN_NUMBER "36" at 50767.01,50384.41 h3.94; PIN_NUMBER "35" at 50747.32,50384.41 h3.94; PIN_NUMBER "24" at 50623.31,50626.54 h3.94; PIN_NUMBER "23" at 50623.31,50646.22 h3.94; PIN_NUMBER "64" at 51087.87,50764.33 h3.94; PIN_NUMBER "63" at 51087.87,50744.65 h3.94; PIN_NUMBER "2" at 50985.12,50848.98 h3.94; PIN_NUMBER "53" at 51087.87,50547.79 h3.94; PIN_NUMBER "32" at 50623.31,50469.06 h3.94; PIN_NUMBER "30" at 50623.31,50508.43 h3.94; PIN_NUMBER "16" at 50707.95,50848.98 h3.94; PIN_NUMBER "33" at 50707.95,50384.41 h3.94; PIN_NUMBER "21" at 50623.31,50685.59 h3.94; PIN_NUMBER "17" at 50623.31,50764.33 h3.94; PIN_NUMBER "20" at 50623.31,50705.28 h3.94; PIN_NUMBER "27" at 50623.31,50567.48 h3.94; PIN_NUMBER "26" at 50623.31,50587.17 h3.94; PIN_NUMBER "18" at 50623.31,50744.65 h3.94; PIN_NUMBER "34" at 50727.64,50384.41 h3.94; PIN_NUMBER "45" at 50944.17,50384.41 h3.94; PIN_NUMBER "50" at 51087.87,50488.74 h3.94; PIN_NUMBER "44" at 50924.49,50384.41 h3.94; PIN_NUMBER "58" at 51087.87,50646.22 h3.94; PIN_NUMBER "38" at 50806.38,50384.41 h3.94; PIN_NUMBER "48" at 51003.23,50384.41 h3.94; PIN_NUMBER "39" at 50826.06,50384.41 h3.94; PIN_NUMBER "52" at 51087.87,50528.11 h3.94; PIN_NUMBER "57" at 51087.87,50626.54 h3.94; PIN_NUMBER "49" at 51087.87,50469.06 h3.94; PIN_NUMBER "43" at 50904.8,50384.41 h3.94; PIN_NUMBER "46" at 50963.86,50384.41 h3.94; PIN_NUMBER "47" at 50983.54,50384.41 h3.94; PIN_NUMBER "56" at 51087.87,50606.85 h3.94; PIN_NUMBER "40" at 50845.75,50384.41 h3.94; PIN_NUMBER "54" at 51087.87,50567.48 h3.94; PIN_NUMBER "60" at 51087.87,50685.59 h3.94; PIN_NUMBER "37" at 50786.69,50384.41 h3.94; PIN_NUMBER "61" at 51087.87,50705.28 h3.94; PIN_NUMBER "59" at 51087.87,50665.91 h3.94; PIN_NUMBER "62" at 51087.87,50724.96 h3.94; PIN_NUMBER "42" at 50885.12,50384.41 h3.94; PIN_NUMBER "55" at 51087.87,50587.17 h3.94; PIN_NUMBER "41" at 50865.43,50384.41 h3.94; PIN_NUMBER "28" at 50623.31,50547.79 h3.94; PIN_NUMBER "8" at 50867.01,50848.98 h3.94; PIN_NUMBER "7" at 50886.69,50848.98 h3.94; PIN_NUMBER "6" at 50906.38,50848.98 h3.94
U10: PIN_NUMBER "3" at 50283.22,50723.9 h20 r90; PIN_NUMBER "8" at 50248.57,50723.9 h20 r90; PIN_NUMBER "5" at 50283.22,50763.27 h20 r90; PIN_NUMBER "6" at 50248.57,50763.27 h20 r90; PIN_NUMBER "2" at 50283.22,50704.21 h20 r90; PIN_NUMBER "9" at 50248.57,50704.21 h20 r90; PIN_NUMBER "1" at 50283.22,50684.53 h20 r90; PIN_NUMBER "10" at 50240.57,50684.53 h20 r90; PIN_NUMBER "4" at 50283.22,50743.58 h20 r90; PIN_NUMBER "7" at 50248.57,50743.58 h20 r90
U15: ASSEMBLY_TOP "NB679" at 54786.14,52617.95 h25 r270; ASSEMBLY_TOP "*" at 54786.14,52617.95 h25 r270; ASSEMBLY_TOP "*" at 54786.14,52617.95 h25 r270; PIN_NUMBER "3" at 54822.95,52663.31 h3.94 r270; PIN_NUMBER "2" at 54817.04,52623.94 h3.94 r270; PIN_NUMBER "4" at 54803.26,52663.31 h3.94 r270; PIN_NUMBER "10" at 54782,52545.2 h3.94 r270; PIN_NUMBER "9" at 54763.89,52545.2 h3.94 r270; PIN_NUMBER "7" at 54769.8,52604.25 h3.94 r270; PIN_NUMBER "8" at 54754.05,52584.57 h3.94 r270; PIN_NUMBER "5" at 54783.58,52663.31 h3.94 r270; PIN_NUMBER "11" at 54801.69,52545.2 h3.94 r270; PIN_NUMBER "1" at 54817.04,52584.57 h3.94 r270; PIN_NUMBER "6" at 54763.89,52663.31 h3.94 r270; PIN_NUMBER "12" at 54821.37,52545.2 h3.94 r270
U16: Top Overlay "1" at 50724,52731 h28; PIN_NUMBER "8" at 50856.18,52725.84 h25 r270; PIN_NUMBER "4" at 50753.82,52649.06 h25 r270; PIN_NUMBER "6" at 50856.18,52674.65 h25 r270; PIN_NUMBER "2" at 50753.82,52700.25 h25 r270; PIN_NUMBER "1" at 50763.82,52725.84 h25 r270; PIN_NUMBER "7" at 50856.18,52700.25 h25 r270; PIN_NUMBER "3" at 50753.82,52674.65 h25 r270; PIN_NUMBER "5" at 50856.18,52649.06 h25 r270
U17: Top Overlay "1" at 50177.64,50895.98 h28; PIN_NUMBER "8" at 50196.61,51021.18 h25; PIN_NUMBER "5" at 50273.39,51021.18 h25; PIN_NUMBER "6" at 50247.8,51021.18 h25; PIN_NUMBER "4" at 50273.39,50918.82 h25; PIN_NUMBER "2" at 50222.2,50918.82 h25; PIN_NUMBER "3" at 50247.8,50918.82 h25; PIN_NUMBER "1" at 50206.61,50918.82 h25; PIN_NUMBER "7" at 50222.2,51021.18 h25
U18: Top Overlay "1" at 54414,53116 h28; PIN_NUMBER "8" at 54531.18,53098.39 h25 r270; PIN_NUMBER "3" at 54428.82,53047.21 h25 r270; PIN_NUMBER "7" at 54531.18,53072.8 h25 r270; PIN_NUMBER "5" at 54531.18,53021.61 h25 r270; PIN_NUMBER "4" at 54428.82,53021.61 h25 r270; PIN_NUMBER "6" at 54531.18,53047.21 h25 r270; PIN_NUMBER "2" at 54428.82,53072.8 h25 r270; PIN_NUMBER "1" at 54438.82,53098.39 h25 r270
U19: PIN_NUMBER "3" at 50546.89,52768.11 h20 r90; PIN_NUMBER "8" at 50512.24,52768.11 h20 r90; PIN_NUMBER "1" at 50546.89,52728.74 h20 r90; PIN_NUMBER "10" at 50504.24,52728.74 h20 r90; PIN_NUMBER "2" at 50546.89,52748.42 h20 r90; PIN_NUMBER "9" at 50512.24,52748.42 h20 r90; PIN_NUMBER "4" at 50546.89,52787.79 h20 r90; PIN_NUMBER "7" at 50512.24,52787.79 h20 r90; PIN_NUMBER "5" at 50546.89,52807.48 h20 r90; PIN_NUMBER "6" at 50512.24,52807.48 h20 r90
U20: PIN_NUMBER "8" at 50512.24,52922.65 h20 r90; PIN_NUMBER "3" at 50546.89,52922.65 h20 r90; PIN_NUMBER "5" at 50546.89,52962.02 h20 r90; PIN_NUMBER "6" at 50512.24,52962.02 h20 r90; PIN_NUMBER "2" at 50546.89,52902.96 h20 r90; PIN_NUMBER "9" at 50512.24,52902.96 h20 r90; PIN_NUMBER "4" at 50546.89,52942.33 h20 r90; PIN_NUMBER "7" at 50512.24,52942.33 h20 r90; PIN_NUMBER "1" at 50546.89,52883.28 h20 r90; PIN_NUMBER "10" at 50504.24,52883.28 h20 r90
U21: PIN_NUMBER "3" at 50591.89,52075.07 h20 r90; PIN_NUMBER "8" at 50557.24,52075.07 h20 r90; PIN_NUMBER "2" at 50591.89,52055.39 h20 r90; PIN_NUMBER "9" at 50557.24,52055.39 h20 r90; PIN_NUMBER "1" at 50591.89,52035.71 h20 r90; PIN_NUMBER "10" at 50549.24,52035.71 h20 r90; PIN_NUMBER "6" at 50557.24,52114.44 h20 r90; PIN_NUMBER "5" at 50591.89,52114.44 h20 r90; PIN_NUMBER "4" at 50591.89,52094.76 h20 r90; PIN_NUMBER "7" at 50557.24,52094.76 h20 r90
U22: PIN_NUMBER "3" at 50591.89,52229.61 h20 r90; PIN_NUMBER "8" at 50557.24,52229.61 h20 r90; PIN_NUMBER "7" at 50557.24,52249.3 h20 r90; PIN_NUMBER "4" at 50591.89,52249.3 h20 r90; PIN_NUMBER "2" at 50591.89,52209.93 h20 r90; PIN_NUMBER "9" at 50557.24,52209.93 h20 r90; PIN_NUMBER "6" at 50557.24,52268.98 h20 r90; PIN_NUMBER "5" at 50591.89,52268.98 h20 r90; PIN_NUMBER "1" at 50591.89,52190.24 h20 r90; PIN_NUMBER "10" at 50549.24,52190.24 h20 r90